# KiCad board inverter.kicad_pcb (continued)
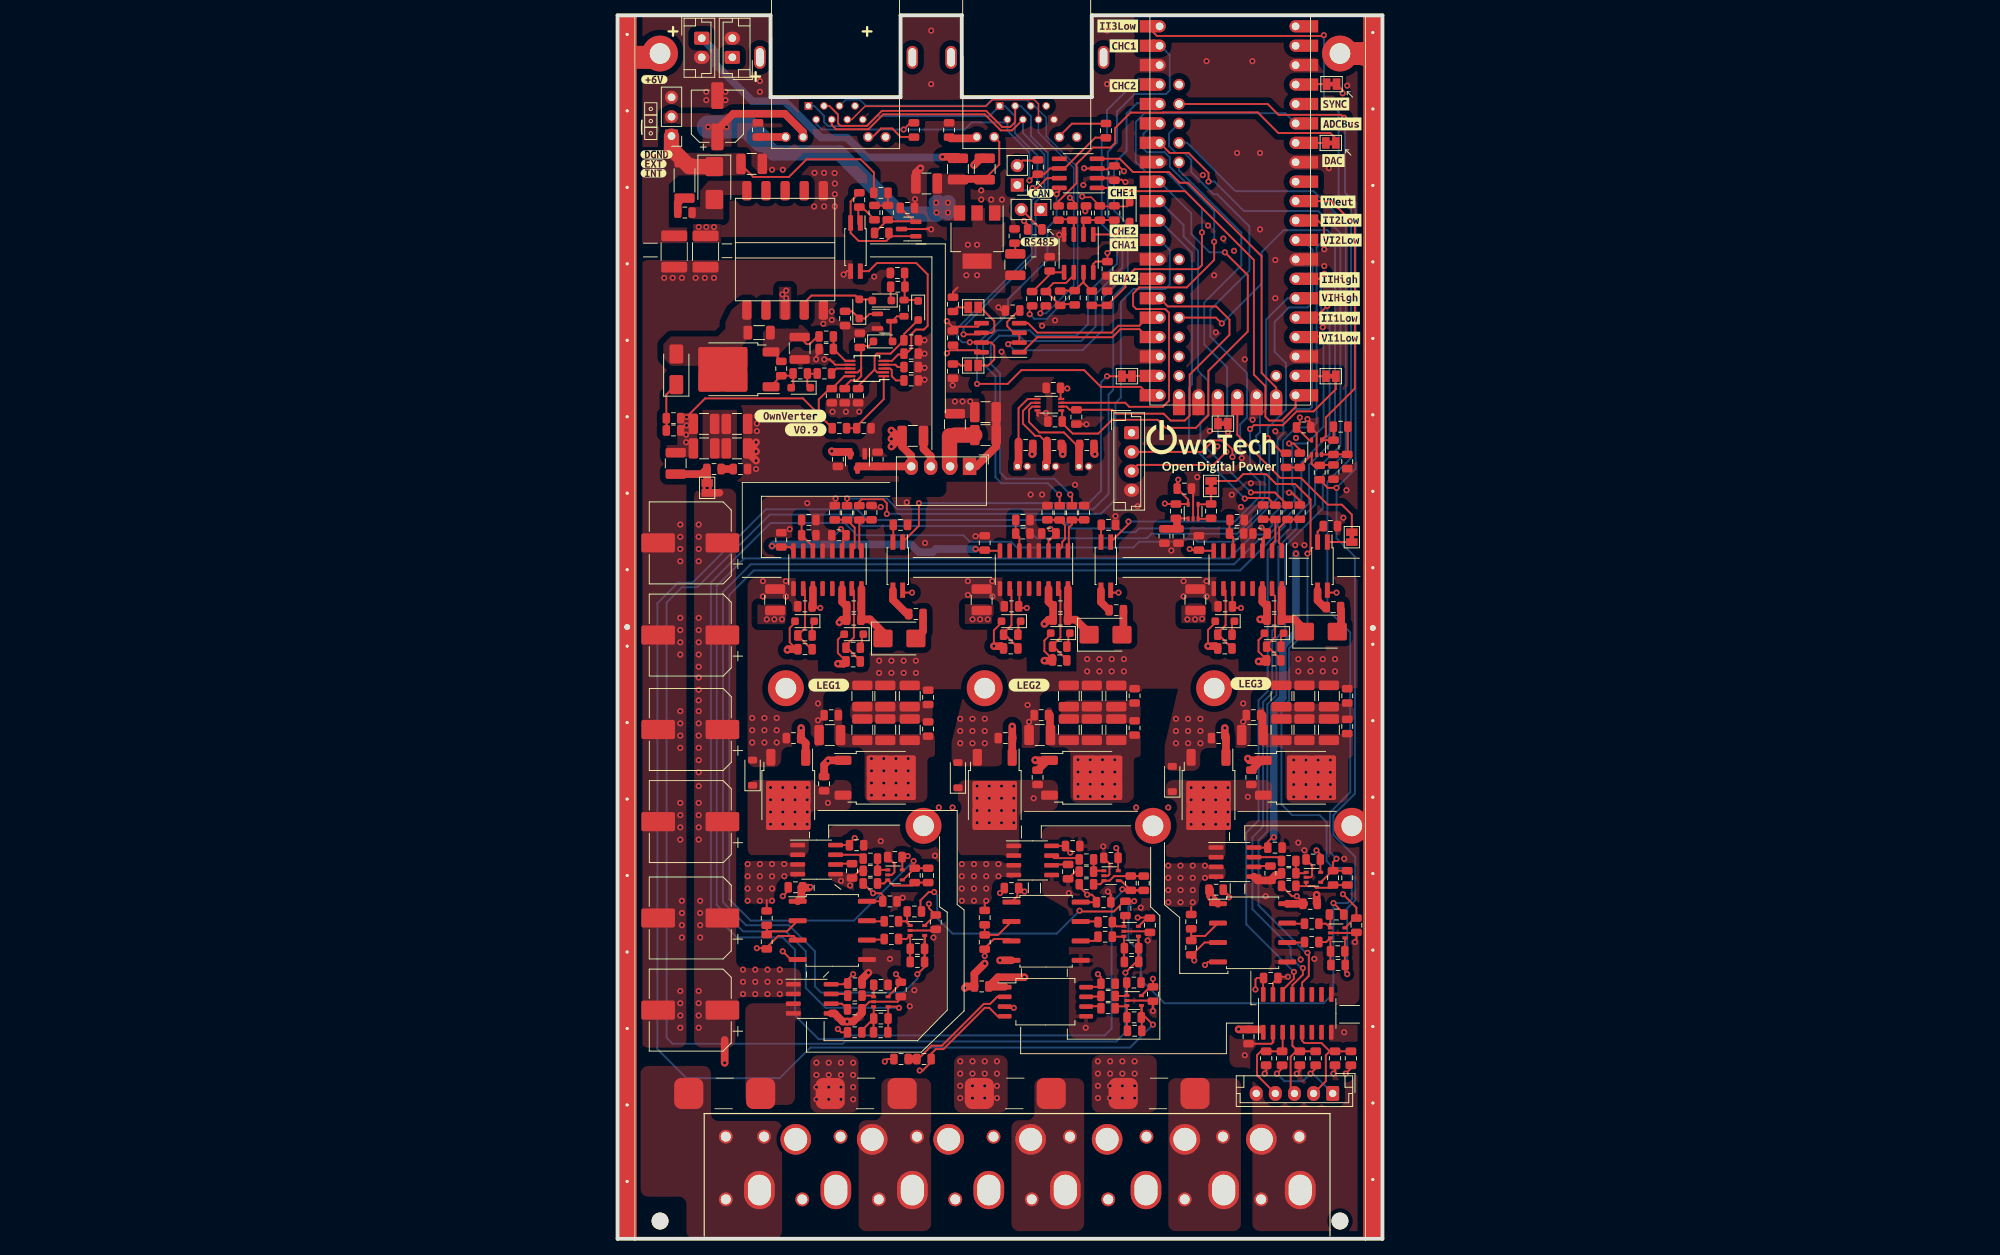
[diagram p0: board, top side]
## Nets (continued)
Net-(J401-Pin_1): F401.1 J401.1
Net-(J402-Pin_1): F402.1 J402.1
Net-(J403-Pad9): J403.9 R403.2
Net-(J403-Pad11): J403.11 R402.2
Net-(J404-Pad9): J404.9 R405.2
Net-(J404-Pad11): J404.11 R404.2
Net-(JP401-B): JP401.2 R401.1
Net-(JP403-B): JP403.2 R410.1
Net-(JP408-A): JP408.1 R409.2
Net-(JP409-B): JP409.2 R411.1
Net-(JP417-B): JP417.2 R413.1
Net-(JP501-B): C501.1 JP501.2 L501.1
Net-(JP502-A): C531.1 C531.2 JP502.1 U506.3 U506.4
Net-(R514-Pad1): R514.1 R516.2 R517.1
Net-(R514-Pad2): R514.2 R515.1 U502.1
Net-(R610-Pad2): R610.2 U602.2
Net-(R614-Pad2): R614.2 U602.3
Net-(R710-Pad2): R710.2 U702.2
Net-(R714-Pad2): R714.2 U702.3
Net-(R810-Pad2): R810.2 U802.2
Net-(R814-Pad2): R814.2 U802.3
Net-(U201-VOUTN): R204.1 U201.6
Net-(U201-VOUTP): R203.1 U201.7
Net-(U202-FILTER): C204.2 U202.6
Net-(U203-+): R203.2 R205.2 U203.1
Net-(U203--): C207.1 R204.2 R206.1 U203.3
Net-(U204-+): R209.2 R211.1 U204.1
Net-(U204--): C217.1 R210.2 R212.1 U204.3
Net-(U406A-+): R413.2 R417.1 U406.3
Net-(U406A--): C412.1 R414.2 R416.1 U406.2
Net-(U406B-+): R419.1 R428.2 U406.5
Net-(U406B--): C411.2 R415.2 R418.1 U406.6
Net-(U490--): C301.1 R494.2 R495.2 U490.3
Net-(U501-CS): C510.1 R506.1 U501.6
Net-(U501-DRV): R505.1 U501.8
Net-(U501-RT): R503.1 U501.4
Net-(U501-SS): C508.1 U501.3
Net-(U501-UVLO): R501.2 R502.1 U501.1
Net-(U503-K): C520.1 R515.2 U502.2 U503.1
Net-(U503-REF): C520.2 R517.2 R518.1 U503.2
Net-(U506-+): C529.2 R520.2 R521.1 U506.1
Net-(U601-VOUTN): R612.1 U601.6
Net-(U601-VOUTP): R611.1 U601.7
Net-(U603-DT): C607.1 R609.2 U603.6
Net-(U603-INA): C603.2 R605.2 U603.1
Net-(U603-INB): C604.1 R606.2 U603.2
Net-(U604-+): R611.2 R613.2 U604.1
Net-(U604--): C610.1 R612.2 R615.1 U604.3
Net-(U605-VZCR): C617.2 U605.6
Net-(U606-+): R618.2 R620.1 U606.1
Net-(U606--): C618.1 R619.2 R621.1 U606.3
Net-(U701-VOUTN): R712.1 U701.6
Net-(U701-VOUTP): R711.1 U701.7
Net-(U703-DT): C707.1 R709.2 U703.6
Net-(U703-INA): C703.2 R705.2 U703.1
Net-(U703-INB): C704.1 R706.2 U703.2
Net-(U704-+): R711.2 R713.2 U704.1
Net-(U704--): C710.1 R712.2 R715.1 U704.3
Net-(U705-VZCR): C717.2 U705.6
Net-(U706-+): R718.2 R720.1 U706.1
Net-(U706--): C718.1 R719.2 R721.1 U706.3
Net-(U801-VOUTN): R812.1 U801.6
Net-(U801-VOUTP): R811.1 U801.7
Net-(U803-DT): C807.1 R809.2 U803.6
Net-(U803-INA): C803.2 R805.2 U803.1
Net-(U803-INB): C804.1 R806.2 U803.2
Net-(U804-+): R811.2 R813.2 U804.1
Net-(U804--): C810.1 R812.2 R815.1 U804.3
Net-(U805-VZCR): C817.2 U805.6
Net-(U806-+): R818.2 R820.1 U806.1
Net-(U806--): C818.1 R819.2 R821.1 U806.3

Pads without a net: T501 4 7 8 9; U401 32 39 41 46 47 48 50 51 52 53 59; U402 5; U603 7 12 13; U703 7 12 13; U803 7 12 13; U901 6 7 10 11

## Via types
v1: diameter 0.8, hole 0.4, Top to Bottom, 652 vias

## Routing (per net, layer and track width the routed paths; a pad name or vN(x,y) marks a point on that pad's centre or on a via; arc(x,y) is an arc through that point)
+3.3V_DGND: length 8.8
  Top w0.25: 64.5,140.31 64.05,139.87 62.81,139.87 ; v1(61,140) 61.03,139.97 U402.3 ; v1(66.2,139.6) 65.5,140.3 C401.1
  Top w1: 58.2,103.8 v1(58.2,102.6) ; 54.28,103.83 54.28,102.67 v1(54.2,102.6) ; R450.2 62.29,102.71 v1(62.4,102.6)
+5V_DGND: length 208.2
  Top w0.25: v1(58.8,111.2) 58.72,111.28 C420.2 57.91,109.91 U410.8 ; U706.5 65.44,48.17 C719.1 65.44,50.86 v1(65.2,51.1) ; C806.1 89.61,43.99 v1(88.8,44.8) 88.16,44.8 R819.1 ; v1(62.8,34.6) 63.2,34.2 63.2,32.95 61.26,32.95 ; R719.1 60.36,46.04 v1(61.4,45) 62,45 62.78,44.22 62.78,44.01 60.57,44.01 U701.8 ; C702.1 56.34,91.25 U703.3 ; C702.1 56.5,91.4 ; C702.1 57.2,92.22 v1(56.6,92.83) ; v1(37.94,50.05) 37.81,49.91 C619.1 37.22,49.88 37.22,48.24 ; v1(68,42) 69.54,42 C713.1 69.18,41.94 U704.5 ; v1(94.84,45.06) 96.6,43.3 C813.1 96.39,41.94 U804.5 ; v1(74.8,90.2) 74.94,90.06 C805.1 76.09,89.97 U803.8 ; 85.5,52.4 85.01,51.91 C811.1 ; U803.3 84.3,91.58 C802.1 ; U601.8 34.64,44.13 C606.1 ; U603.8 22.51,90.46 C605.1 21.26,90.6 v1(20.2,90.6) ; v1(28.8,27.42) 29.22,27 R210.1 ; C802.1 84.5,91.79 84.5,90.83 ; C802.1 84.94,92.26 v1(84.2,93) ; U901.16 84.4,31.97 84.4,34.04 C902.1 83.6,34.1 83.4,33.9 83.4,32.7 ; U202.8 29.48,33.28 v1(30.8,34.6) ; 44.5,116.2 44.5,116.21 C410.1 ; 44.5,116.2 47.31,116.2 U405.8 ; 44.5,116.2 43.45,116.2 v1(43.05,115.8) ; U603.3 29.5,90.13 29.5,91.62 C602.1 ; 34.83,44.76 34.4,45.18 v1(33.4,45.18) 33.39,45.18 R619.1 ; v1(89.2,107.4) 89.2,106.54 C491.1 90.41,104.45 U490.5 ; v1(36.4,34.6) 37.03,33.97 C218.1 37.03,33.36 35.38,31.71 U204.5 ; U203.5 69.62,32.94 C209.1 v1(70,34) ; v1(64.05,128.91) 64.05,128.05 64,128 64.05,127.95 64.05,127.8 62.52,127.8 62.19,127.47 U406.8 ; U705.8 58.32,51.38 v1(59.2,50.5) ; U506.5 74.6,96.66 C530.1 73.16,99.12 v1(73.31,99.27) ; 44.45,124.4 43.85,123.8 R409.1 ; U703.8 48.09,89.97 ; v1(40.7,43.8) 40.7,43.24 C613.1 41.52,42.34 U604.5 ; C602.1 29.88,92.12 v1(29.2,92.8) ; C602.1 29.8,92.08 ; v1(91.38,50.79) 91.89,50.27 C819.1 91.89,47.96 U806.5 ; v1(46.8,90.2) 46.94,90.06 C705.1 ; v1(71.55,96.15) 71.61,96.09 74.56,96.09 ; 85.17,51.15 83.22,51.15 ; v1(31,52.4) 30.47,51.88 30.47,51.47 30.45,51.49 U605.8
  Top w1: U801.8 87.57,43.8 89.78,43.8
  In3.Cu w0.25: 86.85,152.2 91.95,152.2 ; 68.2,157.3 73.3,157.3 ; 68.25,159.8 73.35,159.8 ; v1(89.2,107.4) 88.6,107.4 ; 86.45,154.7 91.55,154.7 ; 91,108.6 89.2,108.6 88.8,108.2
  Bottom w0.25: v1(29.2,92.8) 28,91.6 28,90.8
  Bottom w1: v1(20.2,90.6) 20.4,90.8 38.4,90.8 39.4,89.8 41.2,89.8 41.6,90.2 v1(46.8,90.2) ; v1(85.8,52.5) 85.8,69.57 86.98,70.74 86.98,77.54 88.7,79.27 v1(88.7,89.6)
  vias: v1(44.1,109.5) v1(45.1,109.5) v1(45.6,126) v1(45.8,130) v1(46.1,109.5) v1(47,130) v1(47,126) v1(83.4,32.6)
+5V_PGND: length 237.1
  Top w0.25: 25,45.91 25.11,45.91 v1(25.2,46) ; U701.1 52.28,44.81 52.28,45.86 ; v1(86.2,21.6) 86.88,22.28 R905.2 ; v1(90.6,21.6) 91.28,22.28 R903.2 ; C701.2 52.74,45.86 v1(53.2,45.4) ; R901.2 95.88,22.28 v1(95.2,21.6)
  Top w1: 77.47,45.65 77.47,44.84 77.6,44.72 v1(77.6,44.6) 77.72,44.6 U801.1 ; 84.05,27.38 C901.2 81.22,27.38 v1(81.2,27.4) ; U601.1 24.03,44.61 24.03,45.97 24.08,45.91 25,45.91 ; 50.61,32.95 48.62,32.95 ; 30.42,102.65 30.17,102.9 28.1,102.9 v1(28,103) ; v1(53.2,34.2) 49.74,34.2 C201.1
  In2.Cu w1: 77.6,44.8 78.5,45.7 78.5,49.8 77.8,50.5 68.5,50.5 65,54 55,54 52.75,51.75 50.75,51.75 ; v1(77.6,44.6) 78.5,43.7 78.5,29.3 80.4,27.4 v1(81.2,27.4) 83.6,27.4 86,25 86,21.8 v1(86.2,21.6) ; 24,51 26,51 29,54 36,54 38.25,51.75 50.75,51.75 ; 24,51 19,51 16,54 16,96 23,103 v1(28,103) ; 24,51 25,50 25,46 ; J901.1 95.2,20.7 v1(95.2,21.6) 93.8,23 90,23 ; 90,23 86,23 ; 90,23 90.6,22.4 v1(90.6,21.6) ; 50.75,51.75 53.25,51.75 55,50 55,47 53.4,45.4 v1(53.2,45.4) 55,43.6 55,36 v1(53.2,34.2)
  Bottom w0.25: J901.1 90.9,21.6 v1(90.6,21.6) 89.6,20.6 87.2,20.6 v1(86.2,21.6)
+6V: length 63.6
  Top w0.25: J404.10 49.9,143.44 49.9,140.5 48,138.6
  Top w1: J403.10 24.25,144.75 21.88,147.12 15.12,147.12 13.05,145.05 C521.1 ; 44.41,138.6 48,138.6
  Bottom w2: v1(43.2,134.2) 41.9,135.5 v1(41.65,135.5) ; 18.8,143.6 20.4,142 29,142 37,134 41.7,134 v1(43.2,135.5)
  Bottom w3: 18.8,143.6 17,145.4 v1(14.25,145.4) v1(11.85,145.4)
  vias: v1(41.7,134.2)
+12V_PGND: length 31.3
  Top w0.25: v1(94,84.5) 93.11,84.5 U802.4 ; U803.11 80.39,84.93 C814.1 80.59,82.5 v1(81.5,82.5) ; U703.11 52.53,82.8 C714.1 52.64,82.5 v1(53.5,82.5) ; v1(26.5,82.5) 25.64,82.5 C614.1 ; v1(38.5,84.5) 37.58,84.5 U602.4 ; U702.4 64.78,84.5 v1(65.5,84.5)
  Top w1: U505.3 31.59,101 C527.1 PS501.4 38.4,102.4 37.2,103.6 C526.1 ; U603.11 25.53,82.8 C614.1 ; C526.1 36.5,105 v1(35.8,105.7) ; C526.1 36.2,105 v1(35.8,104.6) ; C526.1 v1(35.8,103.6)
  vias: v1(19.5,81) v1(20.5,81) v1(21.5,81) v1(46.4,81) v1(47.4,81) v1(48.4,81) v1(74.5,81) v1(75.5,81) v1(76.42,81.08)
/Feeder/+6VJP: length 30.7
  Top w0.25: 16.05,140.56 17.75,138.86 22.4,138.86 24.72,141.18 31.78,141.18 33.51,139.45 33.51,136.78
  Top w2: D507.1 9.39,140.21 7.05,142.55 J501.1
DGND: length 100
  Top w0.25: C218.2 37.03,31.43 36.6,31 U204.2 32.94,31 C204.1 ; U806.2 90.6,47.27 90.8,47.47 90.8,48.8 90.68,48.93 90.68,48.94 C819.2 ; C530.2 75.25,97.89 U506.2 ; 55,107.6 54.9,107.7 54.9,108 ; v1(38.9,135.96) 38.9,134.9 38.81,134.81 ; U704.2 69.45,40.21 C713.2 ; R411.2 43.85,111.65 v1(43.8,111.6) ; v1(43.05,120) 43.78,119.28 47.11,119.28 U405.5 ; C705.2 46.86,91.94 v1(46.8,91.88) ; 64.22,138.7 U402.2 ; 61.35,135.2 61.15,135 61.15,134.5 ; 40.6,132.2 v1(41,132) 40.45,132.05 U503.3 ; U406.4 57.79,131.34 ; C619.2 36.2,49.03 36.2,47.94 35.85,47.59 U606.2 ; R720.2 59.84,48.01 C717.1 ; U604.2 41.45,40.31 C613.2 ; 54.9,108 v1(56,108) ; 54.9,108 U410.4 ; C401.2 65.02,138.5 65.9,138.5 66.4,138 v1(66.4,138.2) ; v1(61.3,106.5) 61.26,106.54 R426.2 ; C706.2 64.49,45.01 v1(64.1,45.4) ; C719.2 64.31,49.06 64.31,47.65 64.14,47.48 U706.2 ; v1(87.8,97.58) 88.12,97.58 89.2,96.5 C803.1 ; C617.1 31.59,48.12 R620.2 ; U901.15 85.69,33.45 C902.2 86.5,34.26 v1(87.66,34.26) ; 58.59,131.34 58.55,131.3 ; U804.2 96.54,40 C813.2 96.6,39.02 96.4,38.82 v1(96.4,38.8) 96.38,38.8 ; U490.2 91.4,105.34 C491.2 90.64,106.76 v1(90.2,107.2) ; v1(49.8,121.8) 50.2,121.4 R412.2 ; v1(70,29.8) C209.2 69.91,31.15 U203.2
  Top w1: C202.1 31.96,33.96 v1(32.8,34.8) ; v1(91.4,45) 91.4,43.89 C806.2 ; C525.2 49.5,103.88 ; C525.2 C524.2 ; C525.2 49.5,103.6 46.9,101 PS501.1 ; C204.1 31.94,29.54 30.8,28.4 v1(30,28.4) 29.43,28.4 28.36,29.47 U202.5 ; R820.2 86.56,47.55 86.04,47.55 C817.1 83.7,46.86 U805.5 ; C522.2 39,139.4 v1(39.6,140)
  In1.Cu w0.25: 68.6,43.3 v1(68.4,43.3)
  vias: v1(10.6,132.31) v1(11.6,150) v1(11.6,148.9) v1(11.6,132.31) v1(12.6,132.31) v1(14.1,150) v1(14.1,148.9) v1(18.6,151.4) v1(18.6,150) v1(20.2,139.8) v1(21.6,139.8) v1(22.5,92.8) v1(24.8,96.2) v1(25.7,135) v1(25.75,139.4) v1(27,139.4) v1(27,135) v1(28.37,139.37) v1(28.4,138) v1(28.4,136.6) v1(28.4,135) v1(28.5,96.8) v1(29.2,46.8) v1(30.4,46.2) v1(34.4,95.7) v1(34.4,52) v1(35.6,36.6) v1(37.28,44.6) v1(37.8,96.3) v1(38.2,30.4) v1(38.8,32.5) v1(40.2,91) v1(41,158) v1(41,151) v1(41.3,39.4) v1(41.5,50.1) v1(47.55,137.1) v1(47.55,135.9) v1(48.85,135.9) v1(50.25,135.9) v1(50.2,116) v1(54,97.32) v1(55.5,119.4) v1(55.5,97.32) v1(57.2,120.1) v1(57.75,131.3) v1(59,45.2) v1(59.8,98.6) v1(60.9,137.8) v1(61.15,134.38) v1(61.2,27.6) v1(63.5,51.3) v1(64,158) v1(64,151) v1(65.1,94.5) v1(68,95.8) v1(69.3,39) v1(72.4,90) v1(75.8,99.6) v1(76.52,139.1) v1(77,154) v1(77.2,132.5) v1(77.42,105.64) v1(78,126) v1(78.22,118.53) v1(78.43,103.62) v1(79.2,130.8) v1(80.3,97.3) v1(80.6,129.2) v1(81,142) v1(81.5,95.7) v1(81.6,102.1) v1(82,115) v1(82.8,98.8) v1(83,154) v1(83.02,107.1) v1(84,142) v1(84,132) v1(84.72,44.79) v1(86,128) v1(86,123) v1(86,105.6) v1(88.6,90.7) v1(88.7,104.72) v1(89,51.8) v1(89.31,36.51) v1(89.8,90.7) v1(89.8,50.8) v1(91.1,36.6) v1(92.2,119.2) v1(92.4,129.4) v1(92.4,127.2) v1(92.8,123.2) v1(93,140) v1(94.9,94.3) v1(95,49.7) v1(95.3,97.9) v1(95.4,150.8) v1(96.1,146.1)
PGND: length 74.7
  Top w0.25: v1(88.8,21.6) 89.2,22 R904.1 ; v1(51.8,30.2) 50.78,30.2 U201.3 ; v1(75.4,36.4) 75,36.8 R817.2 75.12,37.12 76.74,38.74 U801.3 ; U502.3 29.98,126.53 v1(29.55,126.1) ; v1(84.6,21.6) 84.8,21.8 R906.1 ; 50.66,45.86 v1(50,45.2) ; v1(93.6,21.6) 93.8,21.8 R902.1 ; v1(39.5,22) 39.9,22 41.2,23.3 ; v1(48,37) R717.2 48,38 49.2,39.2 51.25,39.2 U701.3 ; 41,24.2 41.6,24.8 42.6,24.8 48,30.2 48.6,30.2 49.7,29.09 U201.4 ; U501.7 28.46,114.3 27.76,115 v1(27.03,115) ; 39.11,115.75 v1(40.13,115.75) ; 39.1,113.9 v1(40.13,113.9) ; U901.2 85.69,25.69 85.5,25.5 C901.1 ; 26.33,116.36 26.33,115.78 25.95,115.4 v1(25.95,115) ; 23.55,39.06 23,39.6 21,39.6 19.5,38.1 R617.2 19.4,38 v1(18.2,38) ; v1(21.6,44.8) 22.47,45.68 22.47,45.97 ; v1(79.94,44.66) 79.94,44.86 79.15,45.65 ; v1(40.12,117.5) 39.05,117.5 ; U601.4 22.66,36.51 v1(21.59,37.59) ; U801.4 77.2,36.2 v1(76.8,35.8) ; 39.04,112.35 v1(40.13,112.35)
  Top w1: C526.2 40,103.3 40.94,102.36 PS501.3 ; U701.4 v1(50,36.41) ; v1(45.4,32.8) 45.6,33 C201.2 46.65,33.01 46.65,34.65 v1(48,36) ; v1(18.11,102.96) 17.71,103.36 17.09,103.36 ; 17.09,103.36 17.09,102.79 v1(18.11,101.76) ; 17.09,103.36 17.31,103.36 v1(18.11,104.16)
  vias: v1(6.1,125.66) v1(7.2,125.66) v1(8.2,93.4) v1(8.2,91.8) v1(8.2,90.2) v1(8.2,88.6) v1(8.2,81.2) v1(8.2,79.6) v1(8.2,78) v1(8.2,76.4) v1(8.2,69) v1(8.2,67.4) v1(8.2,65.8) v1(8.2,64.2) v1(8.2,57) v1(8.2,55.4) v1(8.2,53.8) v1(8.2,52.2) v1(8.2,32.4) v1(8.2,30.8) v1(8.2,29.2) v1(8.2,27.6) v1(8.4,125.66) v1(8.4,44.2) v1(8.4,42.6) v1(8.4,41) v1(8.4,39.4) v1(10.2,125.66) v1(11.4,125.66) v1(12.6,125.66) v1(17.6,68.1) v1(17.6,66.5) v1(17.6,64.9) v1(18.11,100.66) v1(18.21,107.61) v1(18.21,106.61) v1(18.21,105.61) v1(19,86) v1(19,84) v1(19.2,68.1) v1(19.2,66.5) v1(19.2,64.9) v1(20.8,68.1) v1(20.8,66.5) v1(20.8,64.9) v1(22,86) v1(22,84) v1(26.2,70) v1(26.2,67.8) v1(26.9,119.66) v1(28,121.26) v1(28,120.16) v1(28.1,108.16) v1(29.85,108.16) v1(31.6,108.16) v1(33.55,125.83) v1(34.2,75.6) v1(34.2,74) v1(35.8,75.6) v1(35.8,74) v1(37.4,75.6) v1(37.4,74) v1(39,75.6) v1(39,74) v1(42,56.4) v1(43.8,56.4) v1(44.8,68) v1(44.8,66.4) v1(44.8,64.8) v1(45.8,86) v1(45.8,84.2) v1(46.4,68) v1(46.4,66.4) v1(46.4,64.8) v1(48,68) v1(48,66.4) v1(48,64.8) v1(49,86) v1(49,84) v1(53.6,69.8) v1(53.8,67.6) v1(61.4,75.8) v1(61.4,74.2) v1(63,75.8) v1(63,74.2) v1(64.6,75.8) v1(64.6,74.2) v1(66.2,75.8) v1(66.2,74.2) v1(67.8,56.4) v1(72,56.4) v1(73,68) v1(73,66.4) v1(73,64.8) v1(74,86) v1(74,84) v1(74.6,68) v1(74.6,66.4) v1(74.6,64.8) v1(76.2,68) v1(76.2,66.4) v1(76.2,64.8) v1(77,86) v1(77,84) v1(81.8,70) v1(81.8,67.6) v1(82,24) v1(89,75.8) v1(89,74.2) v1(90.6,75.8) v1(90.6,74.2) v1(92.2,75.8) v1(92.2,74.2) v1(93.8,75.8) v1(93.8,74.2) v1(95,27)
/Feeder/COMP: length 25.3
  Top w0.25: U502.4 32.83,126.53 33.9,127.6 39.05,127.6 40.55,126.1 40.55,119.4 40.05,118.9 39,118.9 38.4,118.3 38.4,116.4 37.75,115.75 C509.1 37.34,115.65 36.7,115.65 35.85,114.8 U501.5
/Feeder/input: length 29
  Top w0.25: U501.10 29.64,112.8 28.04,111.2 ; C511.1 27.72,111.19 26.3,109.76 26.3,107.8 28.1,106 ; 26.3,107.82 24.22,109.9 11.45,109.9 v1(9.01,107.46)
  vias: v1(9.01,106.36) v1(8.96,105.16) v1(8.96,104.16) v1(21.55,123.5) v1(22.05,124) v1(22.05,123)
/Feeder/VAUX: length 5.5
  Top w0.25: C513.1 37.53,122.84 L502.2 39.19,122.76 D501.1
/Feeder/VBoost: length 10.2
  Top w0.25: 29.7,111.46 30.5,112.26 31.3,112.26 31.85,112.81 31.85,113.9 ; D502.1 32.85,116.75 31.86,116.75 ; C512.1 31.85,116.39 31.85,113.76 31.39,113.3 U501.9
/HALL1: length 134.9
  Top w0.25: U901.12 89.5,33.5 90.38,34.38 90.38,37.22 v1(90.2,37.4)
  Bottom w0.25: v1(90.2,37.4) 90,37.4 83.8,43.6 83.8,52.1 84.95,53.25 84.95,69.88 86.15,71.08 86.15,78.55 87.3,79.7 87.3,90.6 92.2,95.5 92.2,99.8 95.2,102.8 95.2,132.8 91,137 80.79,137 74.47,143.32 U401.44
/HALL2: length 136.9
  Top w0.25: U401.7 72.19,142 74.65,142 77.26,139.39 v1(77.26,138.26) ; U901.13 88.23,33.17 89.6,34.54 v1(89.6,35.4)
  Bottom w0.25: v1(89.6,35.4) 89.4,35.4 88,36.8 88,38.1 83,43.1 83,52.5 84.4,53.9 84.4,70.2 85.6,71.4 85.6,79.5 86.4,80.3 86.4,90.5 88.8,92.9 88.8,93.6 91.2,96 91.2,100.4 94.5,103.7 94.5,131.5 91.6,134.4 81.9,134.4 78.04,138.26 v1(77.26,138.26)
/HALL3: length 135.5
  Top w0.25: v1(88.43,34.9) 88.43,34 86.96,32.54 U901.14 ; v1(79,119.7) 78.24,120.46 U401.49
  Bottom w0.25: v1(88.43,34.9) 82.2,41.13 82.2,53.1 83.8,54.7 83.8,70.4 85,71.6 85,90 88,93 88,93.8 90.4,96.2 90.4,101.2 93.8,104.6 93.8,130.9 92.8,131.9 87.1,131.9 84.2,129 84.2,124.9 v1(79,119.7)
/Hall_Sensor/HALL1_PGND: length 13.8
  Top w0.25: U901.5 89.5,25.9 89.8,25.6 92.03,25.6 93.12,24.51 ; 93.12,24.51 95.2,24.51 ; 93.12,24.51 92.6,23.99 92.6,20.6 J901.2
/Hall_Sensor/HALL2_PGND: length 11.1
  Top w0.25: U901.4 88.23,25.24 88.96,24.51 ; 88.96,24.51 88.71,24.51 88,23.8 88,19.5 J901.3 ; 88.96,24.51 91.04,24.51
/Hall_Sensor/HALL3_PGND: length 12
  Top w0.25: U901.3 86.96,24.59 R905.1 R906.2 84.11,24.51 83.6,24 83.6,21.4 J901.4
/High_side/I_{IHighHall}: length 2.2
  Top w0.25: R209.1 29.88,32.01 U202.7
/High_side/V_{IHigh+}: length 16
  Top w0.25: R202.1 39.3,23.5 41.05,25.25 42.41,25.25 47.88,30.72 48.72,30.72 49.68,31.68 50.61,31.68
  Top w1: R202.1 R201.2
/HRTIM_CHA1: length 76.4
  Top w0.25: R605.1 31.6,96.4 31.91,96.71 34.69,96.71 35.2,96.2 v1(35.2,94.8)
  Bottom w0.25: U401.12 72.2,129.29 72.2,124.8 71.6,124.2 67.46,124.2 65.8,122.54 65.8,110 65.1,109.3 65.1,96.7 63.2,94.8 v1(35.2,94.8)
/HRTIM_CHA2: length 69.6
  Top w0.25: R606.1 v1(30,96.8)
  Bottom w0.25: v1(30,96.8) 35.2,96.8 36.6,95.4 62.2,95.4 64.2,97.4 64.2,110.4 64.8,111 64.8,123.2 67.14,125.54 U401.14
/HRTIM_CHC1: length 89.7
  Top w0.25: R705.1 59.4,97.12 v1(59.2,97.32)
  Bottom w0.25: 70.98,156.02 72.2,154.8 72.2,150.2 71.7,149.7 67.6,149.7 65.3,147.4 65.3,143.35 64.1,142.15 64.1,133.7 66,131.8 66,127 62.5,123.5 62.5,119.3 60.6,117.4 53.2,117.4 52.5,118.1 49.9,118.1 48.8,117 48.8,114.4 50,113.2 50,100.2 50.8,99.4 57.12,99.4 v1(59.2,97.32)
/HRTIM_CHC2: length 83.7
  Top w0.25: v1(57.73,97.32) 57.8,97.25 R706.1
  Bottom w0.25: v1(57.73,97.32) 56.25,98.8 50.2,98.8 49.4,99.6 49.4,112.8 47.8,114.4 47.8,117 49.6,118.8 53.9,118.8 54.6,118.1 60,118.1 61.5,119.6 61.5,123.7 65.3,127.5 65.3,130.7 63.3,132.7 63.3,143.7 64,144.4 64,147.6 68.1,151.7 70.11,151.7 U401.4
/HRTIM_CHE1: length 49.4
  Top w0.25: v1(82.8,97.6) 85.94,97.6 R805.1
  Bottom w0.25: U401.10 74,132.57 74,131.1 75.9,129.2 75.9,113.5 77.2,112.2 77.2,107.8 76.2,106.8 76.2,104.2 v1(82.8,97.6)
/HRTIM_CHE2: length 45.7
  Top w0.25: v1(82,96.8) 82.08,96.88 85.06,96.88 R806.1
  Bottom w0.25: U401.11 75.1,128.93 75.1,111.7 74.7,111.3 74.7,104.1 v1(82,96.8)
/I_{I1Low_sense}: length 184.3
  Top w0.25: R621.2 38.7,48.6 v1(38.7,49.4) ; R621.2 40.52,48.45 ; R621.2 37.33,46.94 37.22,46.94 ; v1(92.8,122) 91,120.2 90.51,120.2 90.25,120.46
  Bottom w0.25: v1(92.8,122) 92.8,120.6 93.1,120.3 93.1,105.2 89.4,101.5 89.4,96.3 87.2,94.1 87.2,93.2 81.4,87.4 17.8,87.4 14.6,84.2 14.6,44.4 17.4,41.6 30.9,41.6 v1(38.7,49.4)
/I_{I2Low_sense}: length 256
  Top w0.25: R721.2 68.79,45.56 68.1,45.56 ; 90.26,133.16 91.58,133.16 92.37,132.36 v1(92.37,130.63) ; U706.4 65.83,46.83 C718.2 68.1,45.56 ; 68.1,45.56 66.14,45.56 v1(66,45.7)
  Bottom w0.25: v1(92.37,130.63) 91.4,129.65 91.4,121.4 90.8,120.8 90.8,108.8 90.5,108.5 88.4,108.5 87.05,107.15 87.05,105.35 86.3,104.6 86.3,96.86 80.59,91.15 75.82,91.15 75.48,91.5 74.1,91.5 73.75,91.15 68.2,91.15 67.45,90.4 52.2,90.4 51.45,91.15 46.05,91.15 45.2,92 31.3,92 29.7,93.6 20,93.6 12.2,85.8 12.2,42.8 15.6,39.4 21.6,39.4 23.2,37.8 23.2,29.2 26.3,26.1 29.4,26.1 29.9,26.6 63.7,26.6 64.6,27.5 64.6,44 66,45.4 v1(66,45.7)
/I_{I3Low_sense}: length 142.5
  Top w0.25: v1(92.34,157.4) 92.25,157.3 70.52,157.3 69.26,158.56 ; C818.2 R821.2 93.55,49.25 v1(94,49.7) ; 93.45,48.14 91.93,46.62
  Bottom w0.25: v1(94,49.7) 93.15,50.55 93.15,55.75 95.8,58.4 95.8,79.3 92.8,82.3 92.8,99 95.9,102.1 95.9,134.74 94.28,136.36 94.28,147.38 92.34,149.31 v1(92.34,157.4)
/I_{IHigh_sense}: length 193.7
  Top w0.25: v1(36.8,30.2) 36.65,30.35 U204.4 35.38,27.04 R212.2 ; v1(92.4,126.2) 91.74,125.54 U401.27
  Bottom w0.25: v1(36.8,30.2) 27.2,30.2 24.6,32.8 24.6,37.6 22,40.2 16.4,40.2 12.96,43.64 12.96,85.36 16.58,88.98 79.98,88.98 83.1,92.1 84.4,92.1 85.6,93.3 85.6,94.6 87,96 87,104.4 88.7,106.1 90.8,106.1 91.4,106.7 91.4,120 92,120.6 92,125.8 v1(92.4,126.2)
/MCU/A: length 76.7
  Top w0.25: J404.3 51.98,146.03 51.35,145.4 50.29,145.4 48.19,147.5 34.55,147.5 32.6,145.55 29.14,145.55 28.82,145.86 28.82,147.02 27.69,148.15 J403.3 ; JP408.2 47.45,121.8 49.25,120 49.25,118.8 48.92,118.47 U405.6 47.38,118.28 v1(45.23,118.28)
  Bottom w0.25: 54.65,133.9 55.33,134.57 JP403.1 ; 54.65,133.9 54.65,135.6 56.25,137.2 56.25,142 54.05,144.2 54.05,146.8 52.7,148.15 J404.3 ; 54.65,133.9 54.65,128.65 45.23,119.23 v1(45.23,118.28)
/MCU/ADC2_IN5: length 63
  Top w0.25: v1(76.4,131.6) 76.4,127.32 75.88,126.8 67.6,126.8 66.4,125.6 66.4,124.46 C470.1 R470.1
  Bottom w0.25: v1(76.4,131.6) 76.4,134.84 71.74,139.5 69.09,139.5 67.75,140.84 67.75,146.05 68.9,147.2 87.31,147.2 U401.35
/MCU/B: length 74.8
  Top w0.25: R410.2 53.61,132.64 v1(53.15,133.1) ; J404.4 51.58,144.95 50.1,144.95 48,147.05 34.74,147.05 32.79,145.1 28.56,145.1 28,145.66 J403.4 ; v1(46.05,117.23) 47.54,117.23 U405.7 48.85,117.2 49.25,116.8 49.25,115 48.45,114.2 JP409.1
  Bottom w0.25: 54.15,132.1 54.15,135.8 55.8,137.45 55.8,141.81 53,144.62 J404.4 ; 54.15,132.1 54.15,128.79 44.4,119.04 44.4,117.9 45.06,117.23 v1(46.05,117.23) ; 54.15,132.1 v1(53.15,133.1)
/MCU/CAN1_STB: length 54.6
  Top w0.25: v1(57.4,136.6) 57.75,136.95 U402.8 ; U401.20 69.26,110.54 68.4,111.4 63.2,111.4 61,113.6 52.8,113.6 51,111.8 v1(47,111.8)
  Bottom w0.25: v1(47,111.8) 47,117 51.05,121.05 51.05,122.85 56.2,128 56.2,132.2 57.4,133.4 v1(57.4,136.6)
/MCU/CAN_H: length 47.4
  Top w0.25: v1(54.25,137.4) 54.85,137.4 56.15,138.7 U402.7
  Bottom w0.25: 24.85,148.15 25.7,148.15 27,146.85 27,146.03 27.51,145.51 32.56,145.51 33.87,146.82 48.62,146.82 J404.1 50.63,148.15 51.94,146.84 51.94,144.61 54.9,141.65 54.9,138 54,137.1 52.26,137.1
/MCU/CAN_L: length 48.9
  Top w0.25: 38.75,145.91 38.25,145.91 v1(37.4,145.06) ; U402.6 56.53,139.97 55.81,139.25 54.69,139.25 v1(53.85,138.4) ; 63.85,144 62.45,144 58.42,139.97
  Bottom w0.25: v1(53.85,138.4) 53.85,142.05 50.97,144.93 J404.2 50.6,146 46.34,146 45.4,145.06 26.71,145.06 25.97,145.8 J403.2
/MCU/DAC2: length 2.4
  Top w0.25: 90.08,143.3 92.45,143.3
/MCU/ENCODER_COS: length 58.9
  Top w0.25: J301.3 68,101.2 77.9,101.2 v1(79.6,102.9)
  Bottom w0.25: U401.45 73.41,139.72 81.55,131.58 81.55,127.29 76.7,122.44 76.7,116.96 79.7,113.96 79.7,107.5 78.5,106.3 78.5,104.8 79.5,103.8 79.5,103 v1(79.6,102.9)
/MCU/ENCODER_SIN: length 69.6
  Top w0.25: v1(80.4,102.24) 80.4,103.2 79.2,104.4 77.9,104.4 76.4,102.9 J301.2
  Bottom w0.25: v1(80.4,102.24) 81.4,103.24 81.4,106.5 82.3,107.4 82.3,113.2 77.5,118 77.5,121.5 82.6,126.6 82.6,132.4 78.4,136.6 77.9,136.6 75,139.5 75,141.1 74.1,142 73,142 72.1,142.9 72.1,144.55 U401.43
/MCU/FDCAN1_{RX}: length 45.8
  Top w0.25: U401.58 86.11,111.32 84.2,113.23 84.2,128.5 74.6,138.1 73.5,138.1 72.1,139.5 67.39,139.5 65.65,141.24 U402.4
/MCU/FDCAN1_{TX}: length 51.9
  Top w0.25: U401.21 88.65,108.79 86.86,107 85.2,107 84.69,107.5 84.69,111.5 83.2,113 83.2,128 74.2,137 66.35,137 65.92,137.43 U402.1
/MCU/HRTIM1_SCIN: length 112.6
  Top w0.25: JP410.2 v1(79.8,105.5) ; v1(94.8,149.8) 94.8,150.2 JP406.2
  In2.Cu w0.25: v1(94.8,149.8) 92.28,147.28 88.07,147.28 86.2,145.4 ; v1(79.8,105.5) 79.8,113.25 80.45,113.9 80.45,125.3 86.2,131.05 86.2,145.4 ; 86.2,145.4 84.33,147.28 59.58,147.28 58.7,148.15 J404.7 55.2,149 31.9,149 J403.7
/MCU/Neutral: length 8.3
  Top w0.25: 91.1,101 90.75,101.35 U490.1 89.2,101 R490.1 R491.1 ; C490.1 91.16,101.2
/MCU/Neutral_buff: length 40.2
  Top w0.25: 93.6,106 R495.1 92.06,104.44 U490.4 92.6,105 92.6,107.4 96.4,111.2 96.4,132.6 93.3,135.7 U401.31
/MCU/PB1: length 2.1
  Top w0.25: U401.37 90.66,151 JP406.1
/MCU/PB6: length 2.1
  Top w0.25: U401.55 78.5,108.69 JP410.1
/MCU/PB7: length 25.2
  Top w0.25: U401.56 81.03,105.13 86.66,99.5 89.36,99.5 92.86,96 94.7,96 96,94.7 JP405.1
/MCU/PC12: length 2.8
  Top w0.25: U401.19 70.33,112.3 ; U401.19 67.29,112.84 JP402.1
/MCU/PC13: length 2
  Top w0.25: JP404.1 90.64,112.8 U401.22
/MCU/SHARE+: length 70.7
  Top w0.2: 66.95,135.31 66.64,135 63.12,135 61.92,136.2 60.85,136.2 v1(60.75,136.3) ; 53.88,121.96 v1(53.88,120.91)
  Bottom w0.2: 60.15,136 60.15,136.7 60.35,136.7 v1(60.75,136.3) ; 60.15,136 60.15,140.1 56.05,144.2 56.05,146.6 54.5,148.15 J404.5 54.01,148.44 53.5,148.95 48.9,148.95 48.15,148.2 32.45,148.2 31.7,148.95 29.81,148.95 J403.5 ; 60.15,136 60.15,124.35 57,121.2
  Bottom w0.25: v1(53.88,120.91) 54.49,120.3 56.1,120.3 57,121.2
/MCU/SHARE-: length 60.7
  Top w0.2: v1(59.14,136.15) 59.65,135.64 59.65,135.2 ; R418.2 55.27,121.27 ; J403.6 30.62,146.37 32.35,148.1 48.15,148.1 49.05,149 54.45,149 55.03,148.42 J404.6
  Bottom w0.2: 59.65,136 59.65,124.65 56.5,121.5 ; 59.65,136 59.5,136.15 v1(59.14,136.15) ; 59.65,136 59.65,140.04 55.03,144.66 J404.6
  Bottom w0.25: 56.5,121.5 56.02,121.02 v1(55.27,121.02)
/MCU/Temp1: length 11.1
  Top w0.25: U410.1 53.62,109.83 52.42,108.62 R406.1
  Top w1: 52.42,104.28 52.42,101.55 52.3,101.43 TH401.1
/MCU/Temp2: length 11.9
  Top w0.25: U410.2 54.06,109.33 53,108.26 53,106.6 54.6,105 55.2,105 56.12,104.08 R407.1
  Top w1: TH402.1 56,101.43 56.15,101.58 56.15,104.4
/MCU/Temp2_Mux: length 61.9
  Top w0.25: U410.5 58.12,108.2 R425.1 58.12,106.67 59.5,105.3 62.85,105.3 64.65,107.1 70.6,107.1 71.65,106.05 75.61,106.05 77.25,107.69 77.25,113.5 82.4,118.65 82.4,126 v1(79.4,129)
  Bottom w0.25: v1(79.4,129) 77.4,129 75,131.4 75,134.11 U401.9
/MCU/Temp3: length 13.6
  Top w0.25: R450.1 60,103.8 58.35,105.45 55.15,105.45 53.8,106.8 53.8,108.42 54.2,108.83 U410.3
  Top w1: R450.1 60.33,103.72 TH403.1
/MCU/Temp3_Mux: length 42.8
  Top w0.25: U410.6 58.7,108.83 59.11,108.41 R426.1 64.69,108.41 65.2,107.9 71.4,107.9 72.3,107 74.16,107 74.8,107.64 74.8,113 80,118.2 80,120.2 78.28,121.92 71.94,121.92 U401.15
/MCU/Temp_x: length 69.6
  Top w0.25: U410.7 66.38,109.33 66.9,108.8 71.3,108.8 72.1,109.6 72.1,121.1 71.61,121.59 67.81,121.59 67.4,122 67.4,123.6 68.22,124.41 74.42,124.41 78,128 v1(78,130.4)